# Allegro board com_v1_p3.brd (continued)
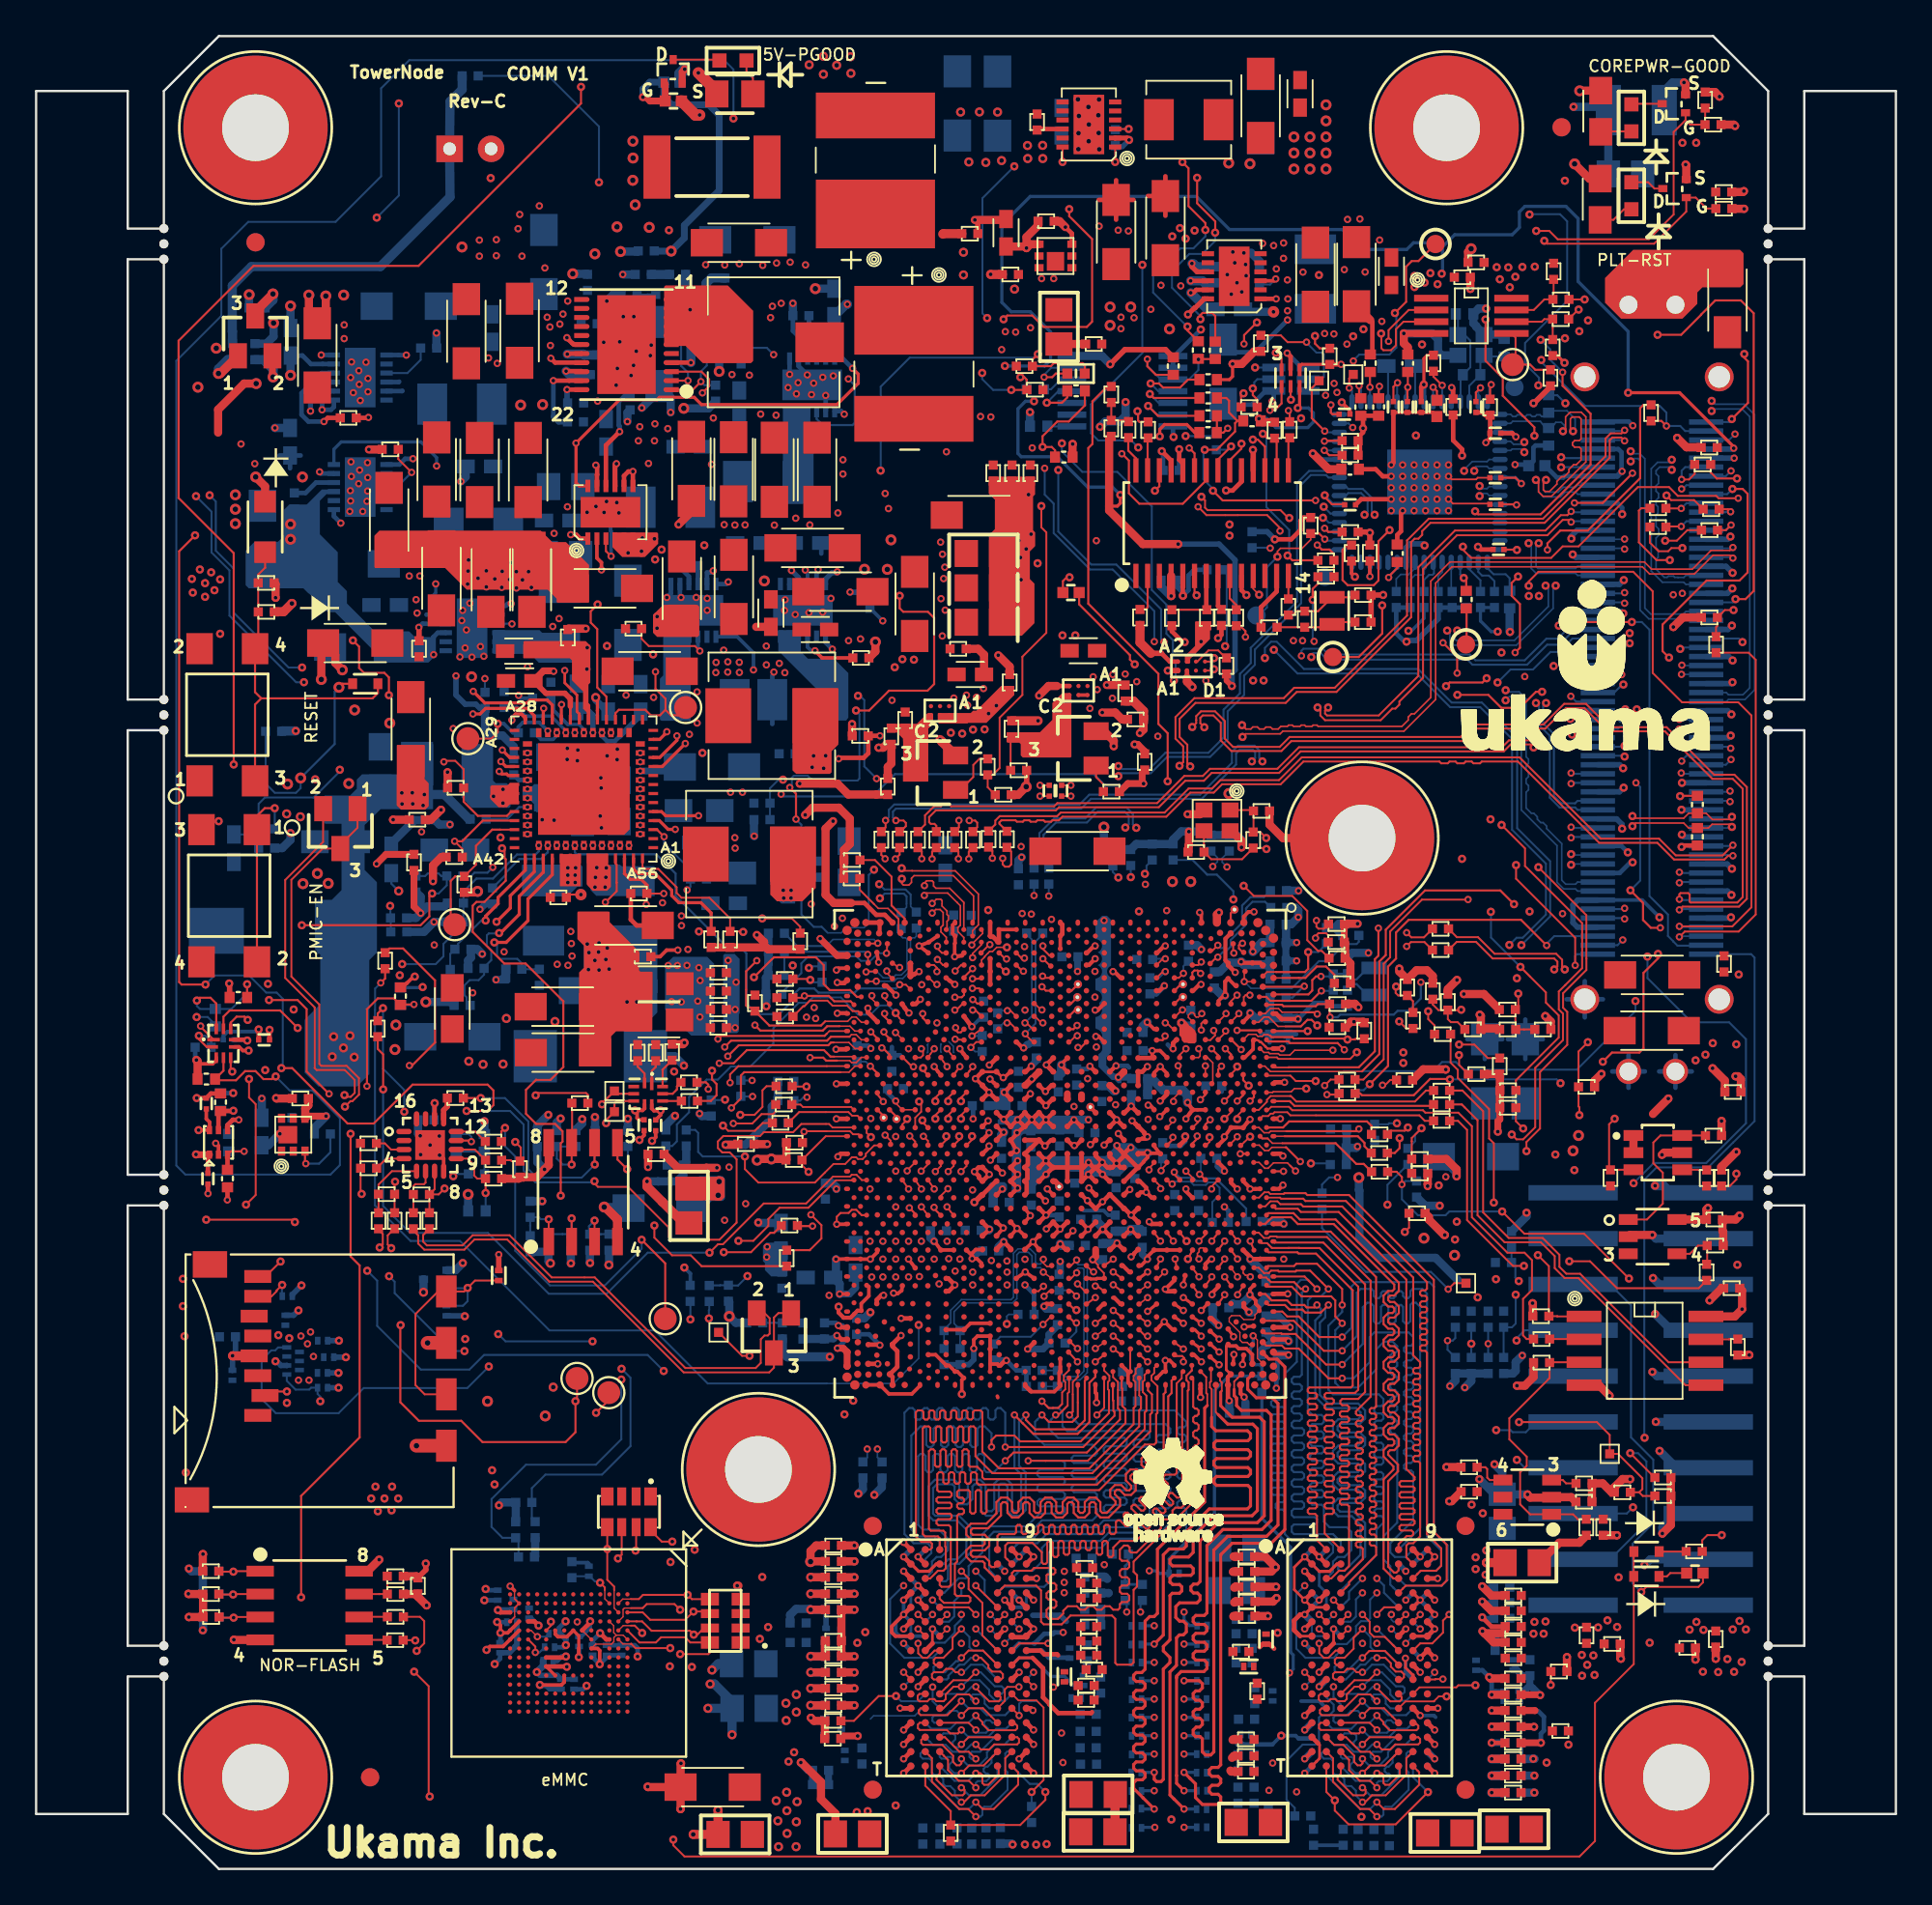
[diagram p0: board, top side]
## Routing (per net, layer and track width the routed paths; a pad name or vN(x,y) marks a point on that pad's centre or on a via; arc(x,y) is an arc through that point) (continued)
SV1_JTAG_TMS: length 8.3
  TOP w0.091: v1(68.79,72.74) 68.79,73.04 68.96,73.21 70.15,73.21 70.63,73.69 R2M48.1
  TOP w0.119: R2M48.1 71.1,74.02 v2(71.41,73.71)
  BOTTOM w0.109: v2(71.41,73.71) 71.49,73.63 U2M2.18 ; TP59.1 67.76,69.48 68.21,69.93 68.21,72.16 v1(68.79,72.74)
SV1_SV2_JTAG_TDO: length 2
  TOP w0.119: R11280.1 79.27,69.86 79.27,67.92 TP56.1
V1P0_A: length 18.9
  TOP w0.203: U3B1.A2 U3B1.B2
  TOP w0.229: U3C1.C3 67.4,50.89 67.43,50.86 v2(67.43,50.85) ; v2(66.78,50.29) 66.84,50.22 U3C1.C5 67.84,50.22 U3C1.B6
  TOP w0.254: U3C1.U22 61.05,41.92 v2(60.68,42.29) 60.31,41.92 U3C1.V22
  TOP w0.381: v2(59.82,43.12) 59.51,43.43 U3C1.Y19
  TOP w0.457: C3B17.1 60.18,63.72 59.8,64.1 v2(59.08,64.1)
  BOTTOM w0.381: v3(33.48,60.86) 35.45,60.86 C3M19.1
  BOTTOM w0.457: R2M36.2 69.95,54.23 v2(69.95,54.22) ; v2(59.82,43.12) 59.72,43.12 59.44,43.4 59.08,43.4 C2N10.1 ; v2(60.68,42.29) 60.68,42.89 C2N12.1 ; v2(66.78,50.29) 66.73,50.24 66.09,50.24 65.58,49.72 C2M18.1 ; C2M13.1 C2M14.1 ; C2M19.1 C2M17.1 ; v1(58.96,79.94) 59.25,80.23 60.05,80.23 60.37,80.56 v1(60.37,81.31)
  BOTTOM w0.508: C2M14.1 68.05,51.34 67.92,51.34 v2(67.43,50.85) ; C2M17.1 68.17,50.13 66.94,50.13 v2(66.78,50.29)
  vias: v2(43,61.07) v2(43.08,61.7) v2(43.64,61.01) v2(43.75,61.71) v2(52.78,64.04) v2(53.21,64.49) v2(58.4,64.33)
V1P0_S: length 37.1
  TOP w0.152: U3C1.AN18 52.45,44.18 53.22,44.18 U3C1.AM18 53.35,44.06 53.55,43.86
  TOP w0.203: U3C1.BJ6 44.93,49.93 44.45,49.93 v2(44.35,49.83) ; v2(52.05,43.81) 52.07,43.81 U3C1.AN19 ; v2(53.59,43.86) 53.63,43.86 U3C1.AK18
  TOP w0.229: U3C1.Y18 59.65,44.33 59.84,44.52 v2(59.84,44.52)
  TOP w0.254: U3C1.AN19 52.44,43.41 v2(52.81,43.05) ; v2(61.58,44.48) 61.3,44.19 U3C1.U18 U3C1.U19 ; v2(55.98,44.57) U3C1.AF18 v2(55.98,44.57) ; v2(55.98,44.57) U3C1.AF16 ; U3C1.AN18 v2(52.05,43.81) ; U3C1.AN21 52.44,42.68 v2(52.81,43.05) ; v2(52.81,43.05) 53.18,42.68 U3C1.AM21 ; U3C1.V32 60.58,37.66 v2(60.61,37.66) ; U3C1.M14 63.01,45.77 v2(63.01,45.47) ; U3C1.AN25 52.81,40.77 v2(52.81,40.81) ; 53.55,43.86 v2(53.59,43.86)
  TOP w0.457: R2B29.1 R2B25.1 40.22,51.08 40.34,51.2 ; R1B19.1 40.56,50.98 40.34,51.2 ; C2B21.1 52.53,67.3 52.2,67.63 C2B18.1 ; U3C1.G1 65.43,52.91 v2(65.55,53.02) ; 40.34,51.2 40.34,51.38 v2(39.94,51.77)
  L3_SIG1 w0.254: v2(60.61,37.66) 61.15,38.21 61.15,40.77 61.19,40.81 61.19,44.08 v2(61.58,44.48)
  L5_SIG2 w0.457: v2(39.94,51.77) 41.23,50.48 41.23,48.58 42.06,47.75 v2(43.12,47.75)
  BOTTOM w0.086: 49.43,45.74 49.38,45.68 49.41,45.65 49.41,45.27 49.38,45.24 ; 50.57,45.86 50.83,45.6 50.83,45.26 50.87,45.26 ; 50.14,45.74 50.16,45.72 50.13,45.69 50.13,45.3 50.16,45.27
  BOTTOM w0.102: 52.33,41.06 52.56,41.06 v2(52.81,40.81) ; 60.45,47.44 60.48,47.47
  BOTTOM w0.254: 62.71,45.69 62.94,45.47 v2(63.01,45.47) ; v2(59.84,44.52) 60.47,44.52 60.56,44.43
  BOTTOM w0.457: R2B27.1 76.98,36.76 v1(77.78,36.76)
  vias: v2(42.69,47.22) v2(43.2,47.14) v2(50.86,64.9) v2(51.55,65.07) v2(51.61,64.51) v2(52.11,64.95) v2(52.5,65.43) v2(61.47,54.58) v5(62.97,54.73) v5(63.98,54.73)
V1P0_SX: length 24.6
  TOP w0.203: U3C1.AK35 v2(54.36,35.5) ; v2(54.36,35.5) U3C1.AJ36 ; v2(54.36,35.5) U3C1.AK36
  TOP w0.254: U3C1.Y36 59.14,35.45 v2(59.11,35.45) ; U3C1.AK19 54.01,43.41 v2(53.65,43.05) 54.01,42.69 U3C1.AK21 ; U3C1.AF21 56.32,42.68 v2(55.96,42.31) 55.59,42.68 U3C1.AG21 ; v2(56.74,35.47) 57.13,35.85 U3C1.AD35 ; v2(56.74,35.47) 56.36,35.85 U3C1.AF35 56.36,35.85 v2(55.98,35.48) ; v2(56.74,35.47) 56.37,35.09 U3C1.AF36 ; v2(52.82,44.56) 52.84,44.56 U3C1.AM16 ; v2(59.11,35.45) 59.11,35.46 U3C1.Y35 ; v2(59.11,35.45) 59.07,35.45 U3C1.AA36 ; U3C1.Y22 59.5,41.91 v2(59.88,41.53) ; U3C1.AJ18 54.84,44.19 v2(55.15,44.5) ; v2(59.88,41.53) 59.51,41.16 U3C1.Y24 ; v2(59.88,41.53) 60.25,41.16 U3C1.V24 ; U3C1.AN29 52.82,38.5 v2(52.82,38.5) 52.45,38.13 U3C1.AN30 52.25,38.32 52.25,38.4 v2(52,38.65) 52.23,38.88 U3C1.AN29
  TOP w0.457: v2(37.73,38.87) 37.14,38.87 37.13,38.86 35.56,38.86 C2C7.1 ; v2(59.34,65.63) C3B15.1
  L5_SIG2 w0.102: 53.22,43.93 53.21,43.94 ; 53.21,43.63 53.22,43.64
  L8_SIG4 w0.254: v2(59.11,35.45) 58.57,35.99 57.27,35.99 v2(56.74,35.47)
  BOTTOM w0.381: v2(55.15,44.5) 55.42,44.8 C2N7.1
  BOTTOM w0.457: v1(40.02,35.83) 40.05,35.81 C3N26.1 ; v1(35.9,44.53) 35.38,45.05 C2C8.1
  BOTTOM w0.508: v2(59.11,35.45) 59.11,35.55 58.78,35.88 C2N26.1
  vias: v1(35.36,44.2) v2(38.15,35.96) v2(38.4,38.91) v2(58.58,66.08) v2(58.8,65.37) v2(59.67,66.21) v2(59.64,64.89) v2(60.35,66.24) v2(60.99,65.82)
V1P0S_EN: length 58.2
  TOP w0.109: v1(55.7,75.55) 55.7,74.37 55.98,74.09 55.98,68.52 54.65,67.19 54.65,65.08 53.39,63.82 53.39,61.03 53.01,60.65 R2B10.1 52.73,59.96 R2B12.2
  TOP w0.178: v2(35.42,57.63) 35.02,57.63 34.54,58.11 U2B3.A4
  L3_SIG1 w0.102: 50.36,75.55 v1(55.7,75.55)
  L3_SIG1 w0.119: 50.36,75.55 49.29,75.55 48.35,74.61 48.35,69 46.39,67.04 43.04,67.04 41.6,68.48 36.49,68.48 35.33,67.32 35.33,65.35 34.13,64.15 34.13,62.87 35.42,61.58 v2(35.42,57.63)
V1P0SX_EN: length 31
  TOP w0.178: U2B3.A5 34.65,58.61 34.88,58.38 v2(36.71,58.38)
  TOP w0.381: R3B3.2 61.29,60.78 61.29,60.24 61.37,60.17 ; R3B4.1 60.06,59.72 60.5,60.17 61.37,60.17 ; 61.37,60.17 v2(61.37,60.16)
  L8_SIG4 w0.119: v2(41.28,59.58) 40.09,58.38 v2(36.71,58.38)
  BOTTOM w0.119: v2(41.28,59.58) 41.41,59.45 46.35,59.45 47.59,60.69 58.61,60.69 59.26,60.04 61.25,60.04 v2(61.37,60.16)
V1P2_A: length 5.1
  TOP w0.152: v2(29.29,66.43) 29.29,65.75 29.97,65.07 29.97,64.15 30.1,64.02 30.1,63.71 U2B3.A22
  TOP w0.381: v2(59.97,43.89) 60.28,44.19 U3C1.V18
  BOTTOM w0.203: v2(26.74,65.06) 26.75,65.06 26.75,64.99 26.85,64.89 C3M6.1
  BOTTOM w0.381: C2N9.2 60.63,43.89 v2(59.97,43.89)
  vias: v2(59.18,52.57)
V1P2_S: length 4.7
  TOP w0.203: U3C1.AD16 56.85,44.65 56.85,44.6 v2(56.82,44.57) 56.82,44.52 U3C1.AD18
  BOTTOM w0.178: v3(30.35,62.99) 30.35,63.17 30.09,63.44 29.46,63.44
  BOTTOM w0.203: 29.46,63.44 28.67,64.23 28.67,64.74 C3M7.1
  BOTTOM w0.508: C2N11.2 56.82,44.14 v2(56.82,44.57)
V1P5_LAN: length 22.8
  TOP w0.119: C3B35.1 79.79,81.85 v2(80.04,82.1) ; v2(82.3,76.8) 81.98,77.12 C3B23.1 ; R11279.2 91.12,59.49 v1(91.1,59.47) ; C3B26.1 75.99,82.11 v2(76.01,82.13) 76.01,82.13 C3B16.1
  TOP w0.254: R11277.2 91.26,56.73 v1(91.18,56.65)
  L5_SIG2 w0.099: v2(76.01,82.13) 76.01,82.64 76.12,82.75 83.85,82.75 84.41,82.19 84.41,81.58 v1(84.75,81.24)
  BOTTOM w0.109: v1(84.75,81.24) 84.3,81.69 R11278.2 ; U2M2.47 79.92,81.98 80.04,82.1 v2(80.04,82.1) ; U2M2.39 75.92,82.04 v2(76.01,82.13)
  BOTTOM w0.178: U2M2.56 81.97,77.13 v2(82.3,76.8)
  BOTTOM w0.254: v2(81.95,77.84) 82.66,77.84 C2131.1 82.97,78.05 82.97,78.79 83.09,78.9 R11276.2
V1P5_S: length 4.2
  TOP w0.203: U3C1.AM32 v2(53.54,37.69)
  L6_SIG3 w0.457: 23.74,65.71 23.76,65.71 v5(24.13,66.09)
  BOTTOM w0.254: 32.33,62.78 32.07,62.52 31.65,62.52 31.35,62.81 v3(31.35,62.99)
  BOTTOM w0.305: C3M8.1 33.5,63.95 32.33,62.78
  vias: v5(76.91,34.97)
V1P05_S: length 7.3
  TOP w0.229: v2(59.1,36.98) 58.72,36.61 U3C1.AA33 ; U3C1.AC32 57.93,37.37 58.25,37.05 v2(58.26,37.05)
  TOP w0.254: U3C1.AG33 55.6,36.61 v2(55.97,36.24) ; U3C1.AF33 56.34,36.61 v2(55.97,36.24) ; U3C1.AA33 58.7,36.61 v2(58.26,37.05) ; U3C1.AG35 55.58,35.85 v2(55.97,36.24) ; v2(60.68,36.24) 61.07,35.85 U3C1.U35 ; v2(60.68,36.24) 60.31,36.61 U3C1.V33 59.53,37.37 U3C1.Y32 59.48,37.37 v2(59.1,36.98) ; v2(60.68,36.24) 61.05,36.61 U3C1.U33
  BOTTOM w0.254: C2N24.1 56.59,36.24 v2(55.97,36.24)
  vias: v2(41.4,54.25) v2(41.43,53.82) v2(41.84,54.25) v2(41.84,53.82) v3(33.48,58.86) v5(37.8,37.34) v5(37.85,38.1)
V1P8_A: length 56.1
  TOP w0.178: U2B3.A20 31.11,64.22 31.1,64.22 31.1,64.84 v4(31.01,64.94)
  TOP w0.203: C70.2 34.6,41.79 v1(34.6,42.05) 34.58,42.03 34.24,42.03 34.12,42.15 U7177.7
  TOP w0.229: 61.3,40.48 U3C1.U25 ; 60.92,41.3 v2(60.73,41.47) ; U3C1.V25 v2(59.97,40.76)
  TOP w0.254: U3C1.AA18 58.7,44.19 v2(58.4,44.5) ; 61.3,40.48 61.48,40.48 v2(61.58,40.59) 61.42,40.75 61.42,40.8 U3C1.U24 60.93,41.3 60.92,41.3 ; v2(62.29,42.57) 62.66,42.94 U3C1.N20
  TOP w0.381: v2(21.31,52.98) 20.94,53.35 R1P28.1 ; v1(81,40.87) 81,41.44 81.11,41.55 R3C20.2 ; 14.92,41.63 15.02,41.73 v2(16.07,41.73)
  TOP w0.457: v1(91.95,11.61) 91.95,11.61 C1N10.1 ; R2B4.1 45.22,62.82 v2(45.22,63.47) ; R3C19.2 77.18,36.14 77.18,35.99 78.03,35.14 v1(78.06,35.14) ; C2037.1 86.22,21.37 R10803.1 86.81,21.37 87.31,20.88 R11023.1 87.46,21.16 87.91,21.61 88.32,21.61 v1(88.33,21.6) ; v1(82.93,31.36) 82.94,31.35 R1N17.2 ; v1(86.74,44.07) 86.36,43.69 R3C18.1 ; C1N3.1 94.54,32.06 v1(94.54,31.03) 94.13,30.63 U4C1.8 ; v1(87.6,18.5) 87.6,18.5 R11274.1 ; R3C14.1 78.14,39.35 78.72,38.78 v2(78.72,38.39) ; C1D2.1 15.09,42.33 14.92,42.16 14.92,41.63 Q1D1.4 ; R1N4.2 94.87,28.49 94.87,28.49 v1(94.94,28.49) ; v1(93.08,11.65) 93.08,11.65 R55.2 ; R2M44.1 82.98,27.27 82.5,26.79 v1(82.06,26.79) ; R3C20.2 R10378.1 81.11,44.05 R2B39.1 R2B38.1 ; R3C8.2 76.87,44.32 78.1,44.32 v1(78.11,44.31)
  L8_SIG4 w0.508: v2(45.22,63.47) 45.07,63.33 45.07,61.29 43.12,59.33 41.88,59.33 v2(39.8,57.25)
  BOTTOM w0.254: v2(58.4,44.5) 58.24,44.34 C2N8.1 ; R2N1.1 65.7,43.09
  BOTTOM w0.381: v4(31.01,64.94) 31.01,64.93 31.02,64.92 31.02,64.78 31.65,64.15 C3M17.1
  BOTTOM w0.457: R4M14.1 22.61,53.36 21.69,53.36 v2(21.31,52.98) ; R3M5.1 39.78,57.27 v2(39.8,57.25) ; v2(21.31,52.98) 21.31,53.89 R1P29.1 ; v2(21.31,52.98) 21.05,52.72 R4M23.1 ; R4M19.1 23.94,50.36 24.1,50.52 R4M18.1 24.45,50.98 v2(24.72,50.72) ; v2(78.72,38.39) 78.7,38.41 78.7,38.61 78.36,38.95 78.16,38.95 77.74,39.37 C2B50.2 ; R4P11.1 15.42,41.08 v2(16.07,41.73)
  vias: v1(18.57,20.54) v1(18.81,21.19) v1(18.94,19.83) v1(19.3,20.54) v1(19.73,21.19) v1(19.7,19.88) v1(20.07,20.54) v1(79.55,20.19) v1(80.17,19.72) v1(85.65,11.86) v1(85.67,10.71) v1(85.95,11.31) v1(86.29,11.83) v1(86.36,10.75) v1(92.36,10.93) v1(93.21,10.91) v1(93.72,11.63) v1(94.09,10.93) v1(94.51,11.47) v2(22.06,51.22) v2(25.49,49.29) v2(78.12,38.37) v3(33.48,61.36) v5(66.09,94.56) v5(67.27,94.52) v5(69.7,96.01) v5(69.7,95.12) v5(69.7,94.23) v5(70.59,96.01) v5(70.59,95.12) v5(70.59,94.23) v5(71.48,97.79) v5(71.48,96.9) v5(71.48,96.01) v5(71.48,95.12) v5(71.48,94.23)
V1P8_A_DIF: length 98.4
  TOP w0.109: U1D1.1 v1(59.8,94.62)
  TOP w0.178: v2(24.21,64.02) 24.6,64.02 24.91,64.33 27.21,64.33 27.6,63.93 U2B3.A27
  L3_SIG1 w0.102: v2(24.21,64.02) 23.84,64.39 22.28,64.39 19.47,67.2 16.26,67.2 v1(14.84,65.78)
  L8_SIG4 w0.102: v1(59.8,94.62) 57.71,94.62 57.14,95.19 57.14,96.82 55.41,98.56 35.77,98.56 34.69,99.64 22.89,99.64 10.97,87.73 10.97,81.98 8.86,79.87 v1(8.86,76.09)
  BOTTOM w0.109: v1(14.84,65.78) 14.41,65.78 10.71,69.48 10.71,71.98 9.72,72.98 9.72,75.24 v1(8.86,76.09)
V1P8_A_DIO: length 93.5
  TOP w0.109: U1D1.12 v1(56.88,94.62)
  TOP w0.203: U2B3.A28 27.11,63.81 26.9,64.01 26.57,64.01 26.36,63.81 v2(26.36,63.68)
  L3_SIG1 w0.102: v2(26.36,63.68) 26.08,63.97 25.33,64.72 22.37,64.72 19.53,67.56 15.71,67.56 v1(14.74,66.6)
  L8_SIG4 w0.102: v1(9.62,76.15) 9.62,79.93 11.22,81.53 11.22,87.57 23.03,99.38 34.54,99.38 35.6,98.32 55.26,98.32 56.88,96.69 v1(56.88,94.62)
  BOTTOM w0.109: v1(14.74,66.6) 13.99,66.6 10.95,69.64 10.95,72.08 9.96,73.07 9.96,75.81 v1(9.62,76.15)
V1P8_IFSUP: length 14
  TOP w0.457: v5(24.47,54.19) 24.41,54.13 R11144.1 ; C1B7.1 21.88,58.16 22.43,58.71 v2(22.44,58.71)
  L8_SIG4 w0.457: v2(22.44,58.71) 22.44,58.38 v2(22.93,57.89) 23.29,57.89 23.85,57.33 23.85,55.15 24.47,54.53 v5(24.47,54.19)
  BOTTOM w0.178: 28.65,62.62 28.85,62.82 v3(28.85,62.99)
  BOTTOM w0.203: 28.65,62.62 27.98,62.62 R1P30.1
  BOTTOM w0.254: v3(27.23,60.36) 26.76,60.36 C4M9.1
  BOTTOM w0.457: R10806.2 19.68,56.85 20.97,58.13 22.11,58.13 22.35,57.89 v2(22.93,57.89)
V1P8_S: length 161.8
  TOP w0.178: v2(94.07,78.75) 94.07,78.84 91.08,81.83 v1(88.22,81.83) ; U3A6.1 70.02,83.28 70.14,83.4 R11131.1 ; 59.46,75.54 59.92,75.54 60.08,75.71 v1(60.08,76.16)
  TOP w0.203: v1(9,40.96) U9005.6 9.62,40.96 9.62,41.4 9.43,41.58 C4751.1 ; v1(25.55,13.69) 25.73,13.51 v1(25.73,13.09) 26.13,13.09 U3.P5 26.27,13.22 U3.N4
  TOP w0.229: U3C1.U38 61.06,34.34 60.85,34.13 60.85,34.09 v2(60.68,33.93)
  TOP w0.254: v1(31.25,13.07) 31.6,12.72 U3.C6 ; U9004.7 11.66,45.97 v1(11.7,45.92) ; v1(25.59,14.35) 25.72,14.22 U3.P3 ; U3C1.AN32 53.2,38.13 U3C1.AM30 ; U3.M4 27.61,13.72 v1(27.84,13.49) ; R11131.1 72.31,83.4 v2(72.31,83.41)
  TOP w0.305: v1(51.99,36.95) 52.37,37.33 52.4,37.33 U3C1.AN32 ; v1(10.7,49.08) 10.72,49.06 R11499.2 ; R11130.2 65.96,65.87 v1(66.26,65.57)
  TOP w0.457: v2(22.8,60.8) 22.8,60.76 22.8,60.75 R1B8.1 ; C2159.1 93.58,43.7 v1(92.9,44.38) ; v5(12.17,77.16) 12.69,76.64 D10089.K ; 38.92,15.7 v1(38.85,15.7) ; v1(63.29,73.44) 61.33,73.44 59.46,75.31 59.46,79.29 R2A17.1 ; R11265.1 93.4,41.46 v1(93.4,41.46) ; Q1D1.7 13.56,40.7 ; R1B23.1 41.58,39.33 R1B24.1 41.49,39.35 v5(40.74,39.35) 40.02,39.35 v5(39.96,39.29) ; v1(35.93,45.8) 35.84,45.72 35.73,45.72 R11439.2 ; v1(92.64,36.63) 92.56,36.55 C2158.1 91.92,36 91.92,36 U16.5 ; R10373.1 13.27,71.21 v1(13.27,70.47) ; U9002.5 90.22,39.71 v1(90.1,39.59) ; v2(21.99,54.75) 21.99,55.63 22.46,56.09 R1B14.1
  BOTTOM w0.102: C2N38.1 C2N40.1
  BOTTOM w0.178: R11497.2 21.39,48.85 v1(21.42,48.88) ; v1(53.69,83.32) 53.69,83.31 55.89,83.31 56.22,83.65 56.22,85.2 55.09,86.32 54.04,86.32 53.52,86.84 53.52,91.14 55.09,92.71 64.3,92.71 66.13,90.88 72.4,90.88 73.51,89.77 73.51,89.77 75.95,89.77 76.33,90.14 77.72,90.14 77.94,89.92 ; v1(55.3,81.35) 54.82,81.35 54.41,80.94 54.41,78.46 54.59,78.28 56.59,78.28 58.27,76.6 59.65,76.6 v1(60.08,76.16) ; 77.94,89.92 77.94,88.48 v1(77.89,88.43) ; 77.94,89.92 78.61,90.59 81.8,90.59 82.2,90.99 82.2,91.86 82.5,92.16 84.77,92.16 85.45,91.49 85.45,88 88.22,85.23 v1(88.22,81.83)
  BOTTOM w0.254: v1(27.84,13.49) 27.43,13.9 C4.1 ; v1(29.36,12.41) 29.24,12.29 R36.1 ; v1(25.55,13.69) 25.62,13.69 25.63,13.68 C31.1 ; C134.1 30.84,12.65 v1(31.25,13.07) ; C92.1 25.63,14.39 v1(25.59,14.35) ; v1(25.73,13.09) 25.73,12.56 C6.1 ; C139.2 11.66,45.97 v1(11.7,45.92) ; R39.1 28.98,13.36 v1(29.34,13.73) ; C91.1 29.09,10.51 C151.1
  BOTTOM w0.305: v1(27.75,10.91) 27.93,10.73 28.87,10.73 C151.1 ; J20.117 94.02,78.71 v2(94.07,78.75) ; v1(66.26,65.57) 66.28,65.59 66.28,66.3 66.44,66.46 66.44,72.56 65.55,73.44 v1(63.29,73.44) ; v2(94.1,78.2) 94.09,78.21 J20.116 ; v1(29.36,12.41) 29.36,12.73 29.05,13.04 R39.1 ; v1(23.76,30.64) 23.73,30.66 R11261.2
  BOTTOM w0.381: C5.1 28.1,11.26 v1(27.75,10.91)
  BOTTOM w0.457: v1(35.41,41.75) 34.9,41.24 R1A4.1 ; v1(25.65,20.16) 25.81,20.32 R1A3.1 26.58,19.25 R1A6.1 ; C4P21.1 13.51,40.75 v1(13.51,40.75) 12.88,40.12 C4P24.1 ; v5(73.3,38.32) 73.3,37.64 73.33,37.6 73.33,34.92 74.38,33.87 77.55,33.87 78.77,32.66 ; R11507.1 v1(24.84,41.45) ; R2N20.1 R3A20.1 40.58,50.17 40.57,50.16 R2N21.1 40.44,49.4 R3M10.1 40.46,48.46 v1(40.46,47.82)
  BOTTOM w0.508: R10388.1 13.63,63.08 v1(14.39,63.08)
  vias: v1(25.27,22.1) v1(25.41,21.31) v1(40.11,12.76) v1(40.24,16.18) v1(40.56,13.4) v1(76.38,88.31) v1(76.38,87.69) v1(76.94,87.94) v1(77.26,88.46) v1(77.66,87.85) v1(78.73,35.88) v1(84.19,39.6) v1(85.24,38.74) v2(29.99,13.69) v2(39.32,36.88) v2(64.82,65.87) v5(8.97,82.14)
V1P8S_EN: length 46.3
  TOP w0.119: Q1D1.3 14.9,39.14 v2(14.95,39.1)
  TOP w0.178: v2(34.95,63.04) 34.84,62.92 34.84,62.9 34.55,62.61 U2B3.A13
  L8_SIG4 w0.102: v2(14.95,39.1) 26.14,39.1 27.17,40.13 27.17,52.28 27.17,54.83 27.85,55.51 28.93,55.51 29.32,55.9 32.56,55.9 33.22,56.56 33.22,56.99 33.11,57.1 33.11,62.2 33.95,63.04 v2(34.95,63.04)
  BOTTOM w0.119: v2(14.95,39.1) 15.68,39.1 16.31,39.72 R4P11.2
V1P35_S: length 9.7
  TOP w0.254: U3C1.BD1 47.03,52.89 46.56,52.89 45.9,53.54 45.17,53.54
  TOP w0.381: U3C1.AJ19 54.82,43.43 v2(55.17,43.78) 55.58,44.19 U3C1.AG18
  TOP w0.457: 45.17,53.54 44.2,53.54 43.75,54 43.75,57.67 v2(44.16,58.08)
  vias: v2(30.52,66.51) v2(30.54,67.7)
V3P3_A: length 193.8
  TOP w0.119: C3B14.1 81.35,73.13 82.04,73.13 v1(82.06,73.12)
  TOP w0.178: v1(84.7,83.49) 84.3,83.89 R2A3.2 ; v1(76.9,82.28) 76.9,82.33 76.9,82.34 76.9,83.72 77.09,83.91 R2M46.1 ; U2B3.A10 34.7,61.11 v2(35.98,62.39)
  TOP w0.203: U7177.6 33.72,42.16 33.61,42.05 v1(33.19,42.05) 33.3,41.93 33.3,41.63 33.4,41.53 C69.1 ; U3C1.N22 62.28,41.7 v2(62.27,41.7) ; U3C1.P18 61.95,44.13 v2(62.29,44.48) 62.66,44.11 U3C1.N18
  TOP w0.254: R2M52.2 73.26,79.36 73.53,79.63 v1(73.53,79.86) 73.53,80.43 R2M25.1 R2M53.1 ; 73.93,85.86 74.05,85.74 74.05,84.07 R2M51.1 ; v1(79.02,78.35) 79.02,78.7 78.53,79.19 R2M37.1 ; R2M48.2 70.25,74.91 70.07,74.73 70.07,74.22 69.55,73.7 v1(68.64,73.7) ; C2M22.1 76.76,82.14 v1(76.9,82.28) ; C3B18.1 81.8,79.59 v2(82,79.39)
  TOP w0.305: R2M50.1 v1(73.91,74.07) 73.87,74.11 R2M42.2 ; v1(82.98,81.25) 83,81.25 83.92,82.17 R2A5.1 ; 54.89,60.01 R2B8.1
  TOP w0.381: R3B3.1 61.43,61.95 61.05,62.33 v1(60.87,62.33)
  TOP w0.457: v1(70.75,78.46) 71.62,77.59 C2M15.1 ; v1(9.25,17.45) 9.24,17.44 R1352.1 ; 73.93,85.86 C3A14.1 ; v2(54.88,89.85) 54.79,89.94 C2A10.1 ; v2(54.88,89.85) 54.88,90.46 55.52,91.1 R3A5.1 ; v2(54.88,89.85) 55.09,90.06 Q3A1.4 ; v1(8.47,13.96) 8.47,13.97 R1353.1 9.25,15.22 R1354.1 8.46,15.24 v1(8.44,15.25) ; R2B12.1 54.42,59.54 v5(54.87,59.99) 54.89,60.01 ; R1358.1 21.15,15.24 C4662.1 21.16,15.09 v1(21.64,14.61) ; R1P17.1 47.19,61.08 47.39,61.28 R2B6.1 47.13,62.34 46.94,62.15 v1(46.69,62.15) ; R3B17.2 72.58,47.96 73.08,47.96 v2(73.28,47.76) ; U9003.8 18.38,16.51 v1(19.01,17.14) ; R2M54.1 R2M52.2
  L3_SIG1 w0.508: v1(33.19,42.05) 33.19,42.71 30.05,45.85 24.6,45.85 23.42,47.02 23.42,54.74 21.65,56.52 18.86,56.52 16.17,59.21 16.17,61.32 15.29,62.21 10.53,62.21 9.36,63.38 v1(9.36,70.52) ; v5(13.16,85.69) 15.71,85.69 16.42,86.41 20.21,86.41 21.39,87.59 42.14,87.59 43.3,88.75 49.55,88.75 50.74,87.55 53.08,87.55 54.88,89.36 v2(54.88,89.85)
  L7_PWR2 w0.254: J20.PC1 85.82,49.21 ; J20.PC1 86.82,48.21 ; J20.PC1 84.82,48.21 ; J20.PC1 85.82,47.2
  L8_SIG4 w0.305: v3(33.48,60.36) 33.8,60.36 35.38,61.94 35.53,61.94 v2(35.98,62.39)
  L8_SIG4 w0.381: v1(85.2,97.68) 84.41,96.9 84.41,93.88 v1(84.72,93.58)
  BOTTOM w0.109: v1(82.06,73.12) 82.04,73.13 U2M2.64
  BOTTOM w0.254: C3M11.1 42.52,61.82 ; C3M11.1 42.06,62.28 ; C3M11.1 42.06,61.36 ; C2B48.2 82.52,47.08 ; C2B48.2 83.49,45.99 ; C2B48.2 82.52,44.9 ; C2B48.2 81.56,45.99 ; C2N4.1 68.81,46.27 ; C2N4.1 67.9,46.27 ; C2N4.1 68.35,45.82 ; R2M55.2 R2M47.1 R2M57.1 ; C2B47.2 81.24,45.99 ; C2B47.2 79.31,45.99 ; C2B47.2 80.28,44.9 ; J20.PC1 86.82,48.21 ; J20.PC1 84.82,48.21 ; J20.PC1 85.82,47.2 ; J20.PC1 85.82,49.21 ; 69.37,45.82 C2N5.1 ; C2N5.1 68.91,46.27 ; C2N5.1 69.83,46.27 ; C3A27.1 66.48,84.07 67.56,84.07 v2(69.35,85.86) ; 71.95,85.07 71.93,85.09 v2(71.92,85.09) ; v1(76.9,82.28) 76.9,82.24 76.9,82.23 76.9,81.34 U2M2.41 ; v1(70.75,78.46) 71.08,78.13 U2M2.27 ; v1(75.94,68.03) 75.87,68.1 75.75,68.1 75.37,68.49 R2M56.1 R2M28.1 ; v2(82,79.39) 81.76,79.63 U2M2.51 ; 40.8,63.47 L3M4.2 40.8,66.16
  BOTTOM w0.305: v1(68.64,73.7) 68.22,74.13 R2M61.1 ; U2M2.10 75.92,73.24 76.13,73.45 76.85,73.45 v1(76.94,73.36) ; R2M57.1 77.69,69.3 77.05,68.65 76.49,68.1 76.01,68.1 v1(75.94,68.03)
  BOTTOM w0.457: v5(13.16,85.69) 13.16,84.95 12.76,84.55 R1L2.1 ; v1(81.67,68.57) 81.65,68.59 R2M49.1 ; C2M10.1 C2130.1 86.94,97.68 v1(85.2,97.68)
  vias: v1(8.63,71.51) v1(8.68,70.75) v1(9.08,72.03) v1(9.36,71.27) v1(9.7,71.87) v1(9.88,70.88) v1(10.2,71.48) v1(47.58,66.61) v1(48,67.06) v1(48.64,67.03) v1(80.94,88.79) v1(81.11,88.12) v1(81.58,88.78) v1(81.66,87.67) v1(81.97,88.26) v1(82.36,88.8) v1(83.05,88.82) v2(36.2,62.9) v2(40.47,66.75) v2(40.88,66.35) v2(41.18,66.83) v2(41.49,66.31) v2(69.37,87.03) v2(69.35,86.38) v2(71.4,85.11) v2(74.57,85.79)
V3P3_A_DIF: length 89.4
  TOP w0.178: v2(24.22,65.28) 24.86,64.64 27.21,64.64 27.38,64.8 28.32,64.8 28.6,64.52 U2B3.A25
  TOP w0.254: U3A3.1 68.71,87.04 v2(68.72,87.03)
  L3_SIG1 w0.173: 24.71,65.28 25.34,65.28 25.55,65.49 25.55,66.11
  L3_SIG1 w0.178: v2(44.12,67.62) 42.93,68.81 36.26,68.81 34.88,67.43 34.88,66 34.47,65.58 33.42,65.58 33.09,65.91 33.09,69.42 31.94,70.57 25.85,70.57 25.63,70.35 25.63,69.84 25.84,69.63 26.64,69.63 26.82,69.46 26.82,67.38 25.55,66.11 ; 24.71,65.28 v2(24.22,65.28)
  L8_SIG4 w0.178: v2(68.72,87.03) 67.64,87.03 67.38,86.78 62.43,86.78 60.11,89.1 45.96,89.1 41.97,85.11 41.97,83.96 40.99,82.98 40.99,81.79 43.86,78.92 43.86,71.45 44.46,70.85 44.46,69.45 44.12,69.11 v2(44.12,67.62)
  BOTTOM w0.254: v2(44.12,67.62) 43.75,67.99 U3M1.1
V3P3_A_DIO: length 58.7
  TOP w0.178: v2(28.13,64.34) 28.13,64.23 28.1,64.21 U2B3.A26
  TOP w0.279: U3A3.12 64.73,87.04 64.23,86.54 64.2,86.54 v1(63.83,86.17)
  L8_SIG4 w0.178: v2(28.13,64.34) 28.42,64.04 42.47,64.04 44.59,66.16 44.59,68.51 45.79,69.71 45.79,71.09 45.35,71.53 44.77,71.53 v2(44.4,71.9) 46.03,73.54 46.03,80.71 51.94,86.62 55.9,86.62 57.57,84.95 61.05,84.95 62.27,86.17 v1(63.83,86.17)
  BOTTOM w0.279: U3M1.12 43.75,71.5 44.1,71.85 44.34,71.85 v2(44.4,71.9)
V3P3_S: length 81
  TOP w0.076: U3.E6 U3.F5
  TOP w0.152: U3C1.AN24 52.44,41.16
  TOP w0.178: R625.1 64.21,79.62 63.77,80.07 62.53,80.07 62.27,79.8 62.27,79.55 v1(62.27,79.41) ; U3.J10 U3.K9 ; v1(66.3,83.43) 66.3,82.74 66.12,82.56 R624.2 ; U3A6.6 70.02,81.08 v1(69.92,80.99)
  TOP w0.203: 52.44,41.16 v2(52.76,41.47) ; U9004.6 11.25,45.57 11.46,45.36 v1(11.78,45.36)
  TOP w0.229: U3C1.AN27 52.81,40 v2(52.81,40.08) ; U3C1.AM27 53.22,39.63 v2(52.88,39.29)
  TOP w0.254: U3A5.24 63.54,77.91 63.35,78.11 63.35,78.69 v1(63.34,78.7) ; v1(12.94,46.51) 12.93,46.51 C140.1 ; U3A5.10 66.79,70.89 v1(67.07,70.61) ; U9005.1 9.52,39.51 C4750.1 ; v1(29.41,11.2) 29.39,11.22 U3.K9 ; U3.F5 30.27,13.23 30.7,13.67 v1(30.7,13.73) ; U7157.14 22.08,42.45 v1(22.09,42.45) ; U3A5.19 66.79,76.9 66.3,76.41 65.94,76.41 v1(65.94,76.41) ; U3A5.5 63.54,70.59 ; R3A17.1 64.88,68.35 v1(64.56,68.04)
  TOP w0.305: R11503.2 62.59,84.22 60.33,84.22 v1(59.52,83.41)
  TOP w0.381: U9005.1 8.88,39.59 v1(8.86,39.61)
  TOP w0.457: R3C1.1 67.96,80.2 v1(67.76,80.39) ; C2C12.1 v2(40.52,40.18) ; R620.2 57.43,78.98 v1(57.44,78.99) ; 63.54,70.59 v1(63.55,70.58) ; R10787.1 85.55,98.58 v5(85.54,98.57) ; U304.8 28.41,39.01 v1(28.17,38.78) 27.74,38.35 R11275.1 26.74,38.27 R11376.2 ; v1(66.3,83.43) 66.81,83.43 67.5,84.12 R3B16.1 ; R10781.1 86.07,93.7 v5(85.26,94.51)
  TOP w0.508: v1(10.89,28.45) 10.89,28.44 CN1.4
  TOP w0.635: R11381.1 37.72,98.54 v1(36.7,99.56)
  L3_SIG1 w0.457: v1(59.52,83.41) 56.53,80.42 55.41,80.42 v1(55.07,80.75)
  L7_PWR2 w0.508: J20.PC3 94.27,48.21 ; J20.PC3 93.27,49.21 ; J20.PC3 93.27,47.2 ; J20.PC3 92.27,48.21
  BOTTOM w0.178: v1(69.92,80.99) 70.5,80.99 70.78,80.71 70.78,80.21 70.47,79.9 68.7,79.9 68.21,80.39 v1(67.76,80.39)
  BOTTOM w0.203: v1(30.7,13.73) 30.7,13.36 30.23,12.89 C39.1
  BOTTOM w0.254: v1(10.92,43.01) 10.92,43 R11492.1 ; v1(22.09,42.45) 22.05,42.42 C4745.1 ; R2A14.1 64.18,72.02 63.86,71.7 63.86,70.89 v1(63.55,70.58) ; v1(33.33,11.78) 33.33,12.24 33.17,12.4 C34.1 C42.1 ; C27.1 25.01,14.89 25.01,14.89 v1(24.84,14.89) ; v1(63.34,78.7) 63.34,78.69 C3A26.1
  BOTTOM w0.305: R21.2 14.27,30.69 v1(14.54,30.96) ; R10.2 v1(16.78,29.28) ; R22.2 v1(16.76,26.68) ; C3A24.1 63.23,71.09 63.55,70.76 v1(63.55,70.58) ; C7.1 10.89,27.65 v1(10.89,28.45) 11.05,28.61 C18.1 ; R12.2 v1(16.76,27.5) ; v1(14.7,32.35) 14.2,31.84 R20.2 ; R11.2 v1(17.17,28.37)
  BOTTOM w0.457: v1(23.64,33.59) 23.24,33.19 D1.1 ; v1(59.52,83.41) 59.07,83.86 U87.14 ; R11223.1 28.04,37.01 v1(28.04,37.02) ; R10709.1 33.33,89.66 v5(32.39,89.66) ; v1(30.7,33.59) 30.68,33.6 R11161.1 ; R11222.1 28.85,41.38 v1(29.07,41.6) ; C2152.1 27.77,39.18 v1(28.17,38.78) ; v1(29.64,33.57) 29.63,33.57 R11160.1 ; v1(55.07,80.75) 55.07,80.75 R11491.2 ; R1B30.1 30.98,41.67 v1(30.97,41.68) ; R1B29.1 32.79,41.58 v1(32.79,41.58)
  vias: v2(55.72,88.16) v2(56.39,88.16) v2(60.12,86.02) v2(60.12,85.38) v2(60.84,85.99) v5(13.94,60.14) v5(23.6,89.91) v5(59.51,86.58) v5(59.51,85.57) v5(60.66,86.58) v5(62.81,85.37)
V3P3S_EN: length 65.8
  TOP w0.178: U2B3.A11 34.56,61.61 35.51,62.56 v2(35.51,62.81)
  TOP w0.254: v2(57.04,91.01) 57.4,90.65 Q3A1.3
  TOP w0.457: R3A5.2 56.71,91.34 v2(57.04,91.01)
  L3_SIG1 w0.119: v2(57.04,91.01) 56.05,92 36.23,92 v1(35.07,90.84)
  L8_SIG4 w0.119: v2(35.51,62.81) 35.51,63.31 35.25,63.58 27.93,63.58 27.59,63.92 27.59,64.73 28.71,65.85 29.47,65.85 30.03,66.41 30.03,70.18 30.03,78.55 30.4,78.92 30.4,84.52 34.28,88.4 34.28,90.05 v1(35.07,90.84)
V5_A: length 62.6
  TOP w0.178: v2(29.12,64.54) 29.1,64.53 29.1,63.71 U2B3.A24
  TOP w0.254: U2B1.11 31.08,77.28 31.09,77.3 31.09,77.74 v2(31.02,77.81) ; U3A3.11 64.29,87.54 64.12,87.37 v2(63.98,87.37)
  TOP w0.457: 10.09,79.62 10.09,80.89 11.53,82.34 v5(12.2,82.34)
  L8_SIG4 w0.33: 28.79,56.32 28.85,56.39 v3(28.85,56.74)
  L8_SIG4 w0.457: v2(31.02,77.81) 31.99,76.84 34.76,76.84 37.94,73.66 37.94,72.37 v2(37.52,71.96) ; 28.79,56.32 28.62,56.15 27.35,56.15 26.53,55.33 26.53,55.09 26.53,50.59 26.08,50.13 22.13,50.13 20.53,51.72 16.63,51.72 14.1,54.25 v1(14.1,57.42)
  BOTTOM w0.254: U4L1.11 15.88,83.42 15.23,83.42 14.76,83.89 C4L4.2 ; U4M1.11 15.8,77.35 v2(15.71,77.44) ; 21.63,69.53 22.7,69.53 U4M3.11 ; v2(43.33,72.03) 43.33,71.9 43.25,71.81 U3M1.11 ; C3L5.2 44.06,85.92 44.06,84.71 43.75,84.4 U3L1.11 ; 44.22,73.5 C2B15.2 43.51,72.92 ; C4L6.2 14.66,78.35 ; C4L6.2 13.49,78.35 ; C4L6.2 14.07,77.64 ; v2(37.52,71.96) 37.43,71.86 37.18,71.86 U3M2.11